# Altium PCB COEXPIX PCB.PcbDoc (part 2 of 2)
Units mm, origin at the board's own origin, x right, y up, seen from the top; angles counter-clockwise.
Board outline 35 x 35 mm, 4 copper layers (Top Layer, Signal Layer 1, Inner Layer 2, Bottom Layer), stack 0.778 mm thick; 127 components, 70 nets, 493 pads, 282 vias.
Unrouted connection lines stored in the file: 27.
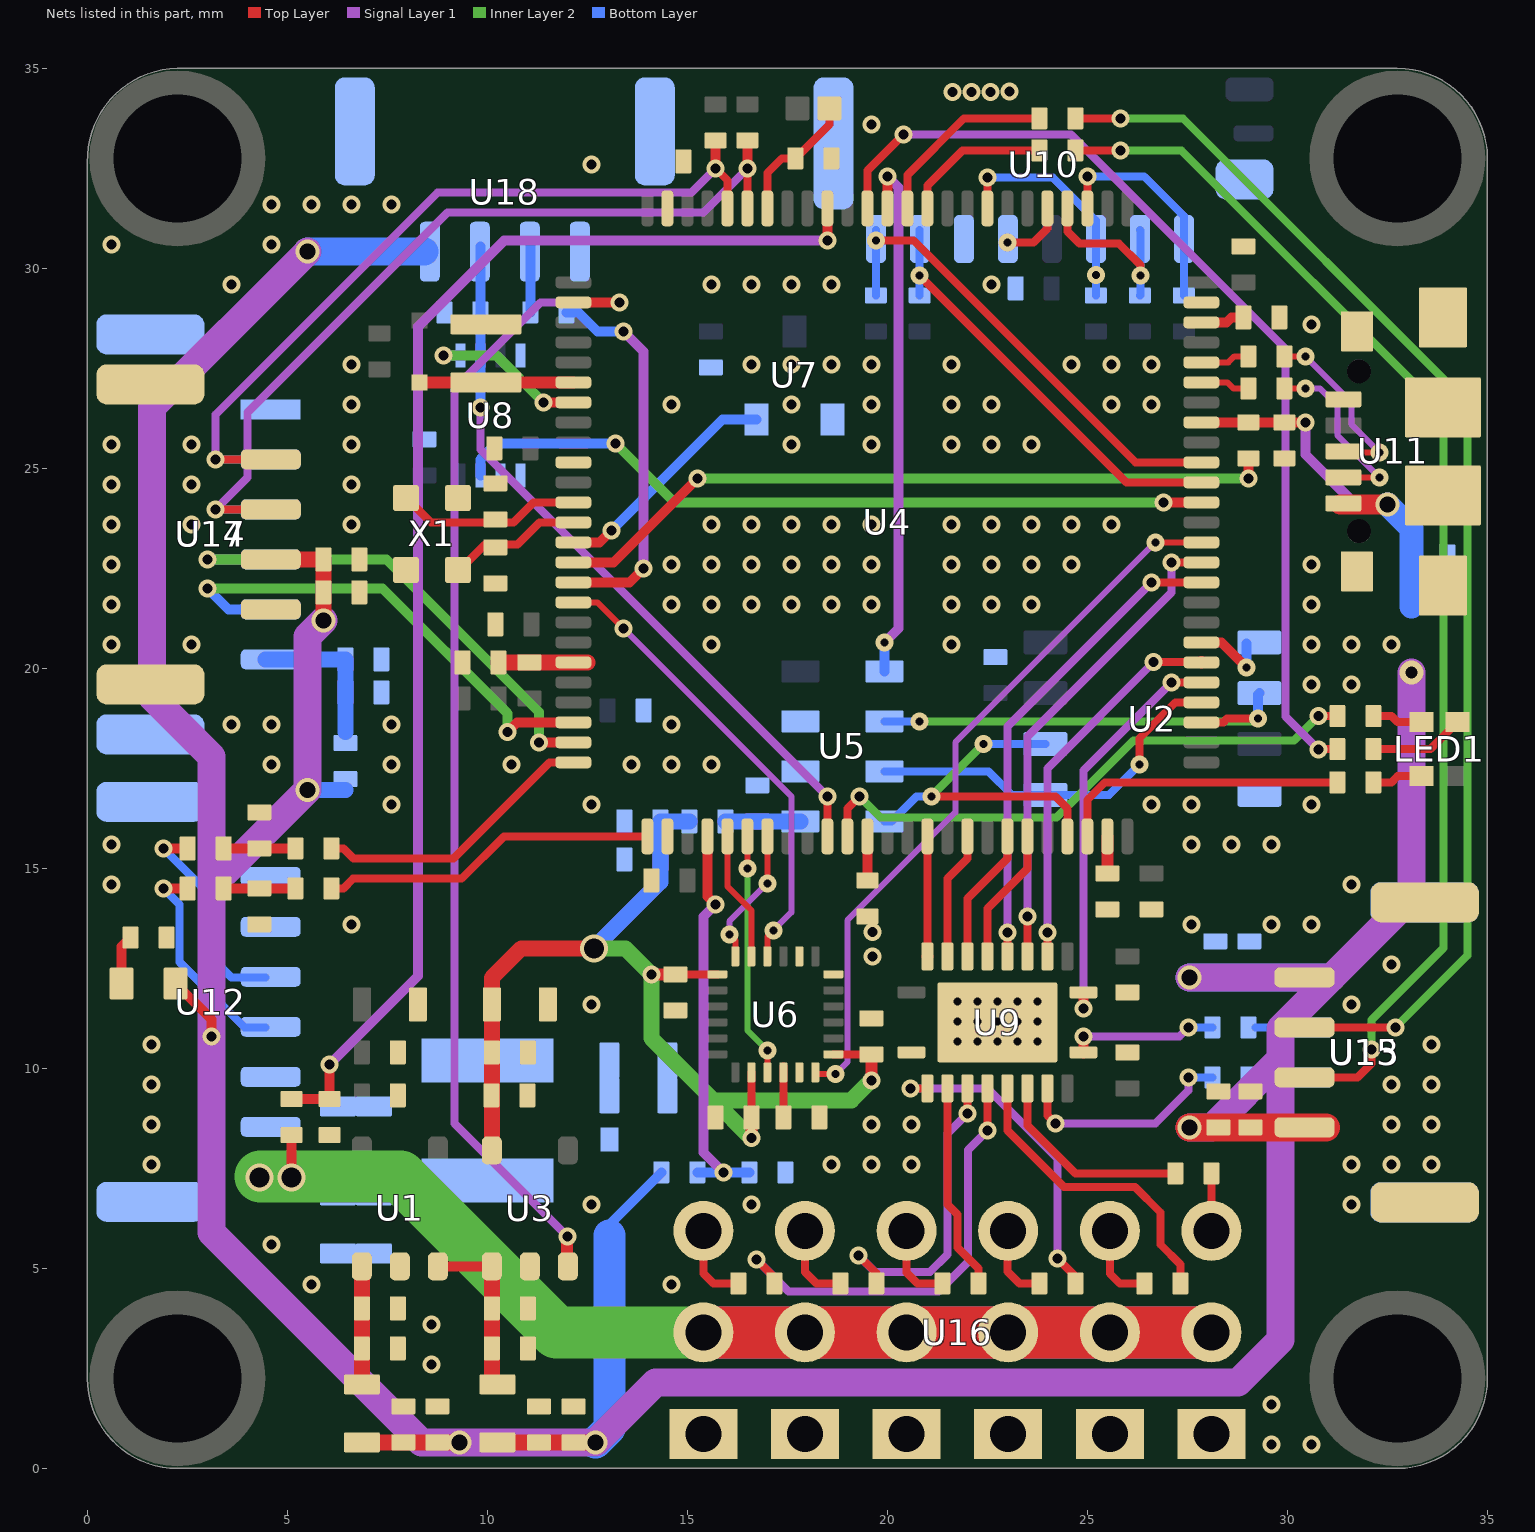
[diagram p4: the nets of this part, all layers, seen from the top]

## Via types
v1: diameter 0.45, hole 0.25, Top Layer to Bottom Layer, tented both sides, 228 vias
v2: diameter 0.45, hole 0.2, Top Layer to Bottom Layer, tented both sides, 38 vias
v3: diameter 0.6, hole 0.4, Top Layer to Bottom Layer, tented both sides, 8 vias
v4: diameter 0.7, hole 0.5, Top Layer to Bottom Layer, tented both sides, 4 vias
v5: diameter 0.45, hole 0.3, Top Layer to Bottom Layer, tented both sides, 2 vias
v6: diameter 0.5, hole 0.3, Top Layer to Bottom Layer, tented both sides, 1 vias
v7: diameter 0.6, hole 0.3, Top Layer to Bottom Layer, tented both sides, 1 vias

## Nets (pads, with @x,y where several pads share a name; then routed paths per layer and width w, separated by ;. In a path a pad name is that pad's centre, name@x,y a point inside that pad or via, vN(x,y) a via of type N, cw(c..) or ccw(c..) an arc to the next point about the centre after c; other vN are vias at no path point) (continued)
"3.3v sens.": C16.1 C17.1 C22.2 C23.2 C24.2 C27.2 C28.2 C29.2 L4.1 L4.2 R5.1 U3.5 U5.1 U6.1 U6.8 U6.13 | length 29.4
  Top Layer w0.2: C27.2@14.7,12.35 U6.1@15.75,12.35 ; C28.2@16.6,8.777 U6.8@16.6,9.9 ; U6.13@18.65,10.35 C29.2@19.6,10.35
  Top Layer w0.3: v1(14.1,12.35) C27.2@14.7,12.35 ; v1(16.6,8.253) C28.2@16.6,8.777 ; v1(19.6,9.7) C29.2@19.6,10.35
  Top Layer w0.4: U3.5@10.112,8.05 10.112,11.2 10.112,12.262 10.85,13 v4(12.662,13)
  Inner Layer 2 w0.4: v4(12.662,13) 13.45,13 v1(14.1,12.35) 14.1,10.753 15.653,9.2 ; v1(16.6,8.253) 15.653,9.2 ; v1(19.6,9.7) 19.1,9.2 15.653,9.2
  Bottom Layer w0.4: v4(12.662,13) 14.325,14.663 C22.2@14.325,15.225 C23.2@14.325,16.175 L4.2@15.05,16.175 ; L4.1@15.95,16.175 C24.2@16.75,16.175 U5.1@17.825,16.175
"5v input": C40.2 C41.2 C42.2 C43.2 C44.2 C45.2 D3.2 L6.1 L6.2 R4.1 U12.1 U12.2 U16.7 U16.8 U16.9 U16.10 U16.11 U16.12 | length 51.9
  Top Layer w0.25: v4(5.1,7.275) R4.1@5.1,8.335
  Top Layer w1.3: U16.7@15.4,3.4 U16.8@17.94,3.4 U16.9@20.48,3.4 U16.10@23.02,3.4 U16.11@25.56,3.4 U16.12@28.1,3.4
  Signal Layer 1 w1.3: U16.7@15.4,3.4 U16.8@17.94,3.4 U16.9@20.48,3.4 U16.10@23.02,3.4 U16.11@25.56,3.4 U16.12@28.1,3.4
  Inner Layer 2 w1.3: v4@4.325,7.3 7.825,7.3 11.725,3.4 U16.7@15.4,3.4 U16.8@17.94,3.4 U16.9@20.48,3.4 U16.10@23.02,3.4 U16.11@25.56,3.4 U16.12@28.1,3.4
  other v4: 4.3,7.275
"5v input_USB": C39.1 D2.2 R21.1 R22.2 U4.68 U11.1 | length 10
  Top Layer w0.25: U4.68@27.85,26.15 R22.2@29.025,26.15 R21.1@29.925,26.15 v1(30.45,26.15)
  Top Layer w0.5: U11.1@31.312,24.101 v3(32.5,24.101)
  Signal Layer 1 w0.25: v1(30.45,26.15) 30.45,25.35 31.699,24.101 v3(32.5,24.101)
  Bottom Layer w0.6: v3(32.5,24.101) 33.1,23.501 C39.1@33.1,22.8 D2.2@33.1,21.675 D2.2@33.1,21.55
"5v input_USB_valid": R22.1 U4.15 | length 18.2
  Top Layer w0.25: U4.15@12.15,22.65 13.15,22.65 v1(15.25,24.75) ; v1(29.025,24.75) R22.1@29.025,25.25
  Inner Layer 2 w0.25: v1(15.25,24.75) v1(29.025,24.75)
"5v input_valid": R4.2 R6.1 U4.91 | length 33.1
  Top Layer w0.25: R4.2@5.1,9.235 R6.1@6.05,9.235 v1(6.05,10.1) ; v1(18.5,30.7) U4.91@18.5,31.5
  Signal Layer 1 w0.25: v1(6.05,10.1) 8.263,12.313 8.263,28.541 10.422,30.7 v1(18.5,30.7)
"5v main": C4.1 C5.1 C6.1 C7.1 C18.1 C19.1 C20.1 C21.1 C48.2 C49.2 C50.2 C51.2 C52.2 C53.2 C54.1 C55.1 D2.1 D3.1 L1.1 L1.2 L3.1 L3.2 L9.1 L9.2 LED2.1 LED2.2 R8.1 R38.2 U1.1 U1.3 U3.1 U13.1 U14.1 U15.1 U17.3 U18.1 | length 130
  Top Layer w0.25: LED2.1@0.853,12.123 0.853,13.05 R38.2@1.078,13.275 ; LED2.2@2.203,12.123 3.1,11.226 v1(3.1,10.8) ; U1.3@8.742,5.05 U3.1@10.112,5.05
  Top Layer w0.3: C5.1@6.86,3 C5.1@6.862,2.998 ; C4.1@6.86,3.898 C4.1@6.862,3.9
  Top Layer w0.4: U17.3@4.458,22.725 U17.3@4.586,22.725 C55.1@5.9,22.725 C54.1@5.9,21.9 v3(5.9,21.2) ; C5.1@6.86,3 C4.1@6.86,3.898 ; L1.2@6.862,0.65 C6.1@7.9,0.65 C7.1@8.75,0.65 v3(9.3,0.65) ; L1.1@6.862,2.1 C5.1@6.862,2.998 ; C4.1@6.862,3.9 U1.1@6.862,5.05 ; U3.1@10.112,5.05 10.112,3.9 C19.1@10.112,3 10.112,2.238 L3.2@10.25,2.1 ; L3.1@10.25,0.65 C20.1@11.29,0.65 C21.1@12.153,0.65 v3(12.7,0.65)
  Top Layer w0.7: v3(27.55,8.526) C49.2@29.075,8.526 U13.1@30.964,8.526
  Signal Layer 1 w0.7: v3(5.5,30.416) 1.615,26.531 1.615,19.285 3.1,17.8 3.1,14.558 ; v3(5.9,21.2) 5.5,20.8 v3(5.5,16.958) 3.1,14.558 ; v3(27.55,8.526) 28.11,8.526 29.825,10.24 ; v3(27.55,12.274) 31.099,12.274 ; v7(33.1,19.9) 33.1,14.275 31.099,12.274 ; 3.1,14.558 v1(3.1,10.8) 3.1,5.9 8.35,0.65 v3(9.3,0.65) v3(12.7,0.65) 14.2,2.15 28.764,2.15 29.825,3.211 29.825,10.24 ; 29.825,10.24 29.825,10.999 31.1,12.274
  Bottom Layer w0.25: D3.1@13.05,5.825 13.05,6.1 R8.1@14.35,7.4
  Bottom Layer w0.4: U14.1@4.458,20.225 U14.1@4.584,20.225 C51.2@6.45,20.225 C50.2@6.45,19.4 6.45,18.408 ; v3(5.5,16.958) 6.45,16.958
  Bottom Layer w0.6: D2.1@33.1,19.175 D2.1@33.1,19.275 v7(33.1,19.9)
  Bottom Layer w0.7: v3(5.5,30.416) U18.1@8.425,30.416 ; v3(27.55,12.274) U15.1@31.1,12.274
  Bottom Layer w0.8: v3(12.7,0.65) 13.05,1 D3.1@13.05,5.825
"5v main_sens.": R8.2 R9.1 U4.29 | length 10.1
  Top Layer w0.25: U4.29@15.5,15.8 15.5,14.3 v1(15.7,14.1)
  Signal Layer 1 w0.25: v1(15.7,14.1) 15.4,13.8 15.4,7.9 v1(15.9,7.4)
  Bottom Layer w0.25: R8.2@15.25,7.4 v1(15.9,7.4) R9.1@16.55,7.4
AGND: C14.2 L5.1 U4.20 | length 2.2
  Top Layer w0.4: L5.1@10.275,20.15 C14.2@11.05,20.15 U4.20@12.15,20.15 U4.20@12.5,20.15
AUX1: R31.1 R31.2 U9.15 U16.1 | length 13.3
  Top Layer w0.2: U16.1@15.4,5.94 15.4,4.875 15.65,4.625 R31.2@16.275,4.625 ; v1(16.725,5.225) 17.175,4.775 R31.1@17.175,4.625 ; v1(22.5,8.45) U9.15@22.5,9.5
  Signal Layer 1 w0.2: v1(16.725,5.225) 17.525,4.425 21.275,4.425 22.012,5.162 22.012,7.962 v1(22.5,8.45)
AUX2: R32.1 R32.2 U9.14 U16.2 | length 9.9
  Top Layer w0.2: U16.2@17.94,5.94 17.94,4.91 18.225,4.625 R32.2@18.825,4.625 ; v1(19.279,5.325) 19.725,4.879 R32.1@19.725,4.625 ; v1(22,8.875) U9.14@22,9.5
  Signal Layer 1 w0.2: v1(19.279,5.325) 19.694,4.91 21.06,4.91 21.5,5.35 21.5,8.375 v1(22,8.875)
AUX3: R33.1 R33.2 U9.13 U16.3 | length 7.2
  Top Layer w0.2: U16.3@20.48,5.94 20.48,4.9 20.755,4.625 R33.2@21.375,4.625 ; U9.13@21.5,9.5 21.5,6.6 21.75,6.35 21.75,5.525 22.275,5 R33.1@22.275,4.625
AUX4: R34.1 R34.2 U9.12 U16.4 | length 10.2
  Top Layer w0.2: v1(20.575,9.5) U9.12@21,9.5 ; U16.4@23.02,5.94 23,5.92 23,4.925 23.3,4.625 R34.2@23.8,4.625 ; v1(24.25,5.25) 24.7,4.8 R34.1@24.7,4.625
  Signal Layer 1 w0.2: v1(20.575,9.5) 22.5,9.5 24.25,7.75 v1(24.25,5.25) v1@24.25,5.175
AUX5: R35.1 R35.2 U9.16 U16.5 | length 9.7
  Top Layer w0.2: U9.16@23,9.5 23,8.45 24.415,7.035 26.19,7.035 26.822,6.403 26.822,5.603 27.325,5.1 R35.1@27.325,4.625 ; U16.5@25.56,5.94 25.56,4.875 25.81,4.625 R35.2@26.425,4.625
AUX6: R36.1 R36.2 U9.17 U16.6 | length 6.6
  Top Layer w0.2: U9.17@23.5,9.5 23.5,8.575 24.7,7.375 R36.1@27.2,7.375 ; U16.6@28.1,5.94 R36.2@28.1,7.375
BOOT0: pad.2@18.55,34 R10.1 U4.94 | length 3
  Top Layer w0.2: U4.94@17,31.5 17,32.389 17.361,32.75 R10.1@17.7,32.75 18.55,33.6 pad.2@18.55,33.709
BOOT1: R7.2 U4.37 | length 1.1
  Top Layer w0.25: R7.2@19.5,14.7 U4.37@19.5,15.8
"Current sens.": C46.1 L7.1 L7.2 R25.1 R25.2 U4.26 U12.3 | length 15.7
  Top Layer w0.2: R25.1@6.1,14.5 6.4,14.5 6.646,14.746 9.359,14.746 10.412,15.8 U4.26@14,15.8
  Top Layer w0.25: v1(1.9,14.5) L7.2@2.508,14.5 ; L7.1@3.408,14.5 C46.1@4.3,14.5 R25.2@5.2,14.5
  Bottom Layer w0.2: v1(1.9,14.5) 2.3,14.1 2.3,12.658 3.934,11.025 U12.3@4.458,11.025
FMU_AUX1: U4.45 U9.6 | length 3.4
  Top Layer w0.2: U9.6@22.5,12.8 22.5,14 23.5,15 U4.45@23.5,15.8
FMU_AUX2: U4.44 U9.7 | length 3.4
  Top Layer w0.2: U9.7@22,12.8 22,14.25 23,15.25 U4.44@23,15.8
FMU_AUX3: U4.42 U9.8 | length 3.2
  Top Layer w0.2: U9.8@21.5,12.8 21.5,14.746 22,15.246 U4.42@22,15.8
FMU_AUX4: U4.40 U9.9 | length 3
  Top Layer w0.2: U9.9@21,12.8 U4.40@21,15.8
FMU_AUX5: U4.60 U9.5 | length 12.1
  Top Layer w0.2: U9.5@23,12.8 v1(23,13.4) ; v1(26.6,22.15) U4.60@27.85,22.15
  Signal Layer 1 w0.2: v1(23,13.4) 23,18.55 v1(26.6,22.15)
FMU_AUX6: U4.61 U9.4 | length 12.1
  Top Layer w0.2: U9.4@23.5,12.8 v1(23.5,13.8) ; v1(27.1,22.65) U4.61@27.85,22.65
  Signal Layer 1 w0.2: v1(23.5,13.8) 23.5,18.3 27.1,21.9 v1(27.1,22.65)
"FMU_RC input": U4.64 U8.7 | length 19.2
  Top Layer w0.25: v1(26.9,24.15) U4.64@27.85,24.15
  Inner Layer 2 w0.25: v1(13.2,25.625) 14.675,24.15 v1(26.9,24.15)
  Bottom Layer w0.25: U8.7@9.825,24.825 9.825,25.227 10.224,25.625 v1(13.2,25.625)
FRAM_SPI_CS: U2.1 U4.57 | length 2
  Top Layer w0.25: U4.57@27.85,20.65 28.35,20.65 v2(28.975,20.025)
  Bottom Layer w0.25: v2(28.975,20.025) U2.1@28.975,20.625
FRAM_SPI_MISO: U2.2 U4.53 U5.6 | length 11.5
  Top Layer w0.2: U4.53@27.85,18.65 28.4,18.65 28.494,18.744 v2(29.266,18.744)
  Inner Layer 2 w0.2: v2(20.8,18.675) 29.197,18.675 v2(29.266,18.744)
  Bottom Layer w0.2: U5.6@19.925,18.675 v2(20.8,18.675)
  Bottom Layer w0.25: v2(29.266,18.744) 29.266,19.346 U2.2@29.3,19.38
FRAM_SPI_MOSI: U2.5 U4.54 U5.7 | length 9.5
  Top Layer w0.2: v2(26.3,17.6) 26.3,18.251 27.199,19.15 U4.54@27.85,19.15
  Bottom Layer w0.2: U5.7@19.925,17.425 22.525,17.425 23.11,16.84 U2.5@23.95,16.84 25.54,16.84 v2(26.3,17.6)
FRAM_SPI_SCK: U2.6 U4.47 U5.8 | length 9.1
  Top Layer w0.2: v2(21.1,16.8) 24.2,16.8 24.5,16.5 U4.47@24.5,15.8
  Inner Layer 2 w0.2: v2(21.1,16.8) 21.09,16.8 v2(22.4,18.11)
  Bottom Layer w0.2: U5.8@19.925,16.175 20.1,16.175 20.725,16.8 v2(21.1,16.8) ; v2(22.4,18.11) U2.6@23.95,18.11
GND: C1.1 C2.2 C3.2 C4.2 C5.2 C6.2 C7.2 C8.1 C9.1 C10.1 C11.1 C12.1 C13.1 C15.1 C16.2 C17.2 C18.2 C19.2 C20.2 C21.2 C22.1 C23.1 C24.1 C25.2 C26.1 C27.1 C28.1 C29.1 C30.1 C31.2 C32.2 C33.2 C34.2 C35.1 C36.1 C37.2 C38.2 C39.2 C40.1 C41.1 C42.1 C43.1 C44.1 C45.1 C46.2 C47.2 C48.1 C49.1 C50.1 C51.1 C52.1 C53.1 C54.2 C55.2 C56.1 L5.2 R1.2 R5.2 R6.2 R7.1 R9.2 R10.2 R14.1 R21.2 R38.1 U1.2 U2.4 U3.2 U4.10 U4.27 U4.74 U4.99 U5.2 U5.3 U6.11 U6.18 U6.20 U7.1 U8.4 U8.5 U8.6 U9.11 U9.21 U10.6 U10.9 U10.10 U11.5 U12.5 U12.6 U12.7 U13.4 U13.5 U14.6 U14.7 U15.4 U15.5 U16.13 U16.14 U16.15 U16.16 U16.17 U16.18 U17.4 U17.5 U18.4 U18.5 X1.2 X1.4
  other v1: 29.6,0.6 30.6,0.6 29.6,1.6 8.6,2.6 8.6,3.6 5.6,4.6 14.6,4.6 4.6,5.6 12.6,6.6 16.6,6.6 31.6,6.6 1.6,7.6 18.6,7.6 19.6,7.6 20.6,7.6 31.6,7.6 32.6,7.6 33.6,7.6 1.6,8.6 19.6,8.6 20.6,8.6 32.6,8.6 33.6,8.6 1.6,9.6 32.6,9.6 33.6,9.6 1.6,10.6 33.6,10.6 12.6,11.6 31.6,11.6 32.6,12.6 19.625,12.797 19.625,13.406 6.6,13.6 27.6,13.6 29.6,13.6 30.6,13.6 0.6,14.6 31.6,14.6 0.6,15.6 27.6,15.6 28.6,15.6 29.6,15.6 7.6,16.6 12.6,16.6 26.6,16.6 27.6,16.6 30.6,16.6 4.6,17.6 7.6,17.6 10.6,17.6 13.6,17.6 14.6,17.6 15.6,17.6 3.6,18.6 4.6,18.6 7.6,18.6 14.6,18.6 30.6,19.6 31.6,19.6 0.6,20.6 2.6,20.6 15.6,20.6 21.6,20.6 30.6,20.6 31.6,20.6 32.6,20.6 0.6,21.6 14.6,21.6 15.6,21.6 16.6,21.6 17.6,21.6 18.6,21.6 19.6,21.6 21.6,21.6 22.6,21.6 23.6,21.6 30.6,21.6 0.6,22.6 14.6,22.6 15.6,22.6 16.6,22.6 17.6,22.6 18.6,22.6 19.6,22.6 21.6,22.6 22.6,22.6 23.6,22.6 24.6,22.6 30.6,22.6 0.6,23.6 2.6,23.6 6.6,23.6 15.6,23.6 16.6,23.6 17.6,23.6 18.6,23.6 19.6,23.6 21.6,23.6 22.6,23.6 23.6,23.6 24.6,23.6 25.6,23.6 0.6,24.6 2.6,24.6 6.6,24.6 0.6,25.6 2.6,25.6 6.6,25.6 17.6,25.6 19.6,25.6 21.6,25.6 22.6,25.6 23.6,25.6 6.6,26.6 14.6,26.6 17.6,26.6 19.6,26.6 21.6,26.6 22.6,26.6 25.6,26.6 26.6,26.6 6.6,27.6 16.6,27.6 17.6,27.6 18.6,27.6 19.6,27.6 21.6,27.6 24.6,27.6 25.6,27.6 26.6,27.6 30.6,28.6 3.6,29.6 15.6,29.6 16.6,29.6 17.6,29.6 18.6,29.6 22.6,29.6 0.6,30.6 4.6,30.6 4.6,31.6 5.6,31.6 6.6,31.6 7.6,31.6 12.6,32.6 19.6,33.6 21.628,34.414 22.104,34.413 22.579,34.413 23.048,34.417
  other v2: 21.75,10.675 22.25,10.675 22.75,10.675 23.25,10.675 23.75,10.675 21.75,11.175 22.25,11.175 22.75,11.175 23.25,11.175 23.75,11.175 21.75,11.675 22.25,11.675 22.75,11.675 23.25,11.675 23.75,11.675
GPS_UART_RX: U4.24 U14.3 | length 12.7
  Top Layer w0.25: v1(11.29,18.15) U4.24@12.15,18.15
  Inner Layer 2 w0.25: v1(3,22.725) 7.475,22.725 11.29,18.91 v1(11.29,18.15)
  Bottom Layer w0.25: v1@3.2,22.725 U14.3@4.458,22.725
GPS_UART_TX: U4.23 U14.2 | length 12.7
  Top Layer w0.25: v1(10.5,18.408) 10.742,18.65 U4.23@12.15,18.65
  Inner Layer 2 w0.25: v1(3,22) 7.375,22 10.5,18.875 v1(10.5,18.408)
  Bottom Layer w0.25: v1(3,22) 3.525,21.475 U14.2@4.458,21.475
I2C_SCL: R3.1 U4.95 U14.4 U17.2 | length 22
  Top Layer w0.2: v1(3.2,23.975) U17.2@4.458,23.975 ; U4.95@16.5,31.5 v1(16.5,32.5)
  Top Layer w0.25: v1(16.5,32.5) R3.1@16.5,33.2
  Signal Layer 1 w0.2: v1(3.2,23.975) 4,24.775 4,26.4 9,31.4 15.4,31.4 v1(16.5,32.5)
  Bottom Layer w0.2: v1(3.2,23.975) U14.4@4.458,23.975
I2C_SDA: R2.1 U4.96 U14.5 U17.1 | length 20.5
  Top Layer w0.2: v1(3.2,25.225) U17.1@4.458,25.224 ; v1(15.702,32.5) 16,32.202 U4.96@16,31.5
  Top Layer w0.25: v1(15.702,32.5) R2.1@15.702,33.2
  Signal Layer 1 w0.2: v1(3.2,25.225) 3.2,26.342 8.758,31.9 15.102,31.9 v1(15.702,32.5)
  Bottom Layer w0.2: v1(3.2,25.225) U14.5@4.458,25.225
LED_BLUE: LED1.4 R12.1 R12.2 U4.89 | length 27.2
  Top Layer w0.2: U4.89@19.5,31.5 19.5,32.45 v1(20.4,33.35) ; v1(30.775,17.975) 30.783,17.983 R12.2@31.25,17.983 ; R12.1@32.15,17.983 33.575,17.983 LED1.4@34.25,18.658
  Signal Layer 1 w0.2: v1(20.4,33.35) 24.58,33.35 24.587,33.343 24.593,33.35 29.955,27.988 29.955,18.795 v1(30.775,17.975)
LED_GREEN: LED1.2 R13.1 R13.2 U4.36 | length 15.6
  Top Layer w0.2: U4.36@19,15.8 19,16.5 v1(19.3,16.8) ; v1(30.775,18.808) R13.2@31.25,18.808 ; R13.1@32.15,18.808 32.6,18.808 32.75,18.658 LED1.2@33.35,18.658
  Inner Layer 2 w0.2: v1(19.3,16.8) 19.825,16.275 24.225,16.275 26.15,18.2 30.167,18.2 v1(30.775,18.808)
LED_RED: LED1.1 R15.1 R15.2 U4.48 | length 8.6
  Top Layer w0.2: U4.48@25,15.8 25,16.715 25.435,17.15 26.107,17.15 26.112,17.145 31.245,17.145 R15.2@31.25,17.15 ; R15.1@32.15,17.15 32.6,17.15 32.758,17.308 LED1.1@33.35,17.308
MicroSD_CLK: U4.80 U10.5 | length 1.6
  Top Layer w0.2: v2(23.009,30.65) 23.65,30.65 24,31 U4.80@24,31.5
MicroSD_CMD: R20.2 U4.83 U10.3 | length 5.8
  Top Layer w0.2: U4.83@22.5,31.5 v1(22.5,32.275)
  Bottom Layer w0.2: v1(22.5,32.275) 24.135,32.275 25.21,31.2 v2(25.21,29.84) R20.2@25.21,29.325
MicroSD_DAT0: R16.2 U4.65 U10.7 | length 10.9
  Top Layer w0.2: v2(20.8,29.825) 25.975,24.65 U4.65@27.85,24.65
  Bottom Layer w0.2: v2(20.8,29.825) v2@20.8,29.87 ; R16.2@20.809,29.325 20.809,29.878 v2@20.8,29.87 ; U10.7@20.809,30.957 20.8,30.948 v2@20.8,29.87
MicroSD_DAT1: R17.2 U4.66 U10.8 | length 12.1
  Top Layer w0.2: v2(19.71,30.7) 20.659,30.7 26.209,25.15 U4.66@27.85,25.15
  Bottom Layer w0.2: R17.2@19.71,29.325 v2(19.71,30.7) U10.8@19.71,30.958
MicroSD_DAT2: R18.2 U4.78 U10.1 | length 5.6
  Top Layer w0.2: U4.78@25,31.5 v1(25,32.3)
  Bottom Layer w0.2: v1(25,32.3) 26.422,32.3 27.41,31.312 27.41,30.958 R18.2@27.41,29.325
MicroSD_DAT3: R19.2 U4.79 U10.2 | length 4.7
  Top Layer w0.2: U4.79@24.5,31.5 24.5,30.925 24.8,30.625 25.785,30.625 26.325,30.085 v2(26.325,29.825)
  Bottom Layer w0.2: R19.2@26.31,29.325 26.325,29.34 v2(26.325,29.825) 26.325,30.944 U10.2@26.31,30.958
MPU9250_SPI_CS: U4.17 U6.22 | length 11.7
  Top Layer w0.15: U4.17@12.15,21.65 12.751,21.65 v1(13.4,21.001) ; U6.22@17,12.8 17,13.3 v2(17.15,13.45)
  Signal Layer 1 w0.15: v1(13.4,21.001) 17.6,16.801 17.6,13.9 v2(17.15,13.45)
MPU9250_SPI_INT: U4.62 U6.12 | length 18.4
  Top Layer w0.15: U6.12@18.2,9.9 18.246,9.854 v2(18.7,9.854) ; v2(26.7,23.15) U4.62@27.85,23.15
  Signal Layer 1 w0.15: v2(18.7,9.854) 19,10.154 19,13.7 21.7,16.4 21.7,18.15 v2(26.7,23.15) v2@26.7,23
MPU9250_SPI_SCLK: U4.30 U6.23 | length 3.2
  Top Layer w0.15: U4.30@16,15.8 16,14.55 16.6,13.95 U6.23@16.6,12.8
MPU9250_SPI_SDI: U4.32 U6.24 | length 3.5
  Top Layer w0.15: v2(16.05,13.35) 16.2,13.2 U6.24@16.2,12.8 ; v2(17,14.625) U4.32@17,15.8
  Signal Layer 1 w0.15: v2(16.05,13.35) 16.05,13.675 v2(17,14.625)
MPU9250_SPI_SDO: U4.31 U6.9 | length 6.1
  Top Layer w0.15: v2(16.5,15) U4.31@16.5,15.8 ; U6.9@17,9.9 17,10.448 v2(17,10.45) 17.002,10.448 v2@17.001,10.447
  Inner Layer 2 w0.15: v2(16.5,15) 16.5,10.95 v2(17,10.45)
"MS5607_SPI_ CS": U4.88 U5.5 | length 13.4
  Top Layer w0.25: U4.88@20,31.5 v1(20,32.295)
  Signal Layer 1 w0.25: v2(19.925,20.65) 20.275,21 20.275,32.02 v1(20,32.295)
  Bottom Layer w0.25: U5.5@19.925,19.925 v2(19.925,20.65)
NRST: U4.14 U7.2 | length 5.8
  Top Layer w0.25: U4.14@12.15,23.15 12.8,23.15 v1(13.1,23.45)
  Bottom Layer w0.25: v1(13.1,23.45) 15.875,26.225 U7.2@16.725,26.225
OSC_IN: C15.2 U4.12 X1.3 | length 4.6
  Top Layer w0.2: X1.3@7.988,24.25 8.588,23.65 10.65,23.65 11.15,24.15 U4.12@12.15,24.15
OSC_OUT: C25.1 U4.13 X1.1 | length 3.4
  Top Layer w0.2: X1.1@9.288,22.45 9.938,23.1 10.75,23.1 11.3,23.65 U4.13@12.15,23.65
"RC input": R14.2 U4.35 U8.2 U18.2 | length 18.4
  Top Layer w0.2: U4.35@18.5,15.8 v1(18.5,16.8)
  Signal Layer 1 w0.2: v1(9.825,26.526) 9.825,25.475 v1(18.5,16.8)
  Bottom Layer w0.25: v1@9.825,26.475 U8.2@9.825,27.825 9.825,29.125 U18.2@9.825,30.541 ; v1@9.825,26.475 v1(9.825,26.526)
REGOUT: C26.2 U6.10 | length 1.3
  Top Layer w0.2: C26.2@17.4,8.775 U6.10@17.4,9.9 U6.10@17.4,10.05
RSSI_IN: R37.1 R37.2 U4.16 U18.3 | length 11.3
  Top Layer w0.25: U4.16@12.15,22.15 13.55,22.15 v1(13.9,22.5)
  Signal Layer 1 w0.25: v1(13.4,28.425) 13.9,27.925 v1(13.9,22.5)
  Bottom Layer w0.25: R37.2@11.075,28.9 U18.3@11.075,30.541 ; R37.1@11.975,28.9 12.275,28.9 12.75,28.425 v1(13.4,28.425)
SBUS_INV: U4.7 U8.1 | length 4.2
  Top Layer w0.25: v1(11.4,26.65) U4.7@12.15,26.65
  Inner Layer 2 w0.25: v1(8.9,27.825) 10.225,27.825 v1(11.4,26.65)
  Bottom Layer w0.25: v1(8.9,27.825) U8.1@9.325,27.825
"Sens. enable": U3.3 U4.2 | length 29.3
  Top Layer w0.25: U4.2@12.15,29.15 v1(13.3,29.15)
  Top Layer w0.3: U3.3@11.992,5.05 11.992,5.792 v1(12,5.8)
  Signal Layer 1 w0.2: v1(12,5.8) 9.175,8.625 9.175,27 11.325,29.15 v1(13.3,29.15)
Telem1_UART_RX: R28.1 R28.2 U4.87 U13.3 | length 35.9
  Top Layer w0.2: U4.87@20.5,31.5 20.5,32.337 21.913,33.751 R28.1@23.8,33.751 ; R28.2@24.7,33.751 v1(25.825,33.751) ; U13.3@30.591,11.025 v1(32.7,11.026)
  Inner Layer 2 w0.2: v1(25.825,33.751) 27.385,33.751 34.5,26.636 34.5,12.826 v1(32.7,11.026)
Telem1_UART_TX: R27.1 R27.2 U4.86 U13.2 | length 34.3
  Top Layer w0.2: U4.86@21,31.5 21,32.075 21.875,32.95 R27.1@23.8,32.95 ; R27.2@24.7,32.95 v1(25.825,32.95) ; U13.2@30.591,9.775 31.75,9.775 32.1,10.125 v1(32.1,10.475)
  Inner Layer 2 w0.2: v1(25.825,32.95) 27.349,32.95 33.9,26.399 33.9,13.013 32.1,11.213 v1(32.1,10.475)
Telem2_UART_FMU_RX: U4.56 U9.3 | length 9.6
  Top Layer w0.2: U9.3@24,12.8 v1(24,13.4) ; v1@26.805,20.155 U4.56@27.85,20.155
  Top Layer w0.3: v1(26.655,20.155) v1@26.745,20.155 ; U4.56@27.85,20.15 U4.56@27.85,20.155
  Signal Layer 1 w0.2: v1(24,13.4) 24,17.5 v1(26.655,20.155)
Telem2_UART_FMU_TX: U4.55 U9.1 | length 10.2
  Top Layer w0.2: v1(27.1,19.65) U4.55@27.85,19.65
  Top Layer w0.25: v1(24.9,11.5) U9.1@24.9,11.9
  Signal Layer 1 w0.2: v1(24.9,11.5) 24.9,17.45 v1(27.1,19.65)
Telem2_UART_RX: R30.1 R30.2 U9.18 U15.3 | length 6.9
  Top Layer w0.2: U9.18@24,9.5 24,8.825 v1(24.2,8.625)
  Signal Layer 1 w0.2: v1(24.2,8.625) 26.699,8.625 27.525,9.451 v1(27.525,9.775)
  Bottom Layer w0.2: v1(27.525,9.775) R30.2@28.125,9.775 ; R30.1@29.2,9.775 U15.3@30.591,9.775
Telem2_UART_TX: R29.1 R29.2 U9.20 U15.2 | length 5.1
  Top Layer w0.25: U9.20@24.9,10.4 v1(24.9,10.8)
  Signal Layer 1 w0.2: v1(24.9,10.8) 27.3,10.8 v1(27.525,11.025)
  Bottom Layer w0.2: v1@27.525,11.025 R29.2@28.125,11.025 ; R29.1@29.2,11.025 U15.2@30.591,11.025
USB_D_N: R23.1 R23.2 U4.70 U11.2 | length 5.8
  Top Layer w0.15: U4.70@27.85,27.15 28.5,27.15 28.65,27 R23.2@29.025,27 ; R23.1@29.925,27 v2(30.45,27) ; U11.2@31.511,24.751 31.512,24.75 31.537,24.775 v2(32.3,24.775)
  Signal Layer 1 w0.15: v2(30.45,27) 30.811,27 31.25,26.561 31.25,25.825 v2(32.3,24.775)
USB_D_P: R24.1 R24.2 U4.71 U11.3 | length 5.7
  Top Layer w0.15: U4.71@27.85,27.65 28.525,27.65 28.675,27.8 R24.2@29.025,27.8 ; R24.1@29.925,27.8 v2@30.4,27.8 ; U11.3@31.511,25.401 v2(32.3,25.401)
  Signal Layer 1 w0.15: v2(30.45,27.8) 31.6,26.65 31.6,26.101 v2(32.3,25.401)
VBAT: C31.1 C32.1 D1.1 U4.6 | length 3.8
  Top Layer w0.3: D1.1@8.3,27.15 C31.1@9.525,27.15 C32.1@10.4,27.15 U4.6@12.15,27.15
VCAP_1: C33.1 U4.49 | length 0.9
  Top Layer w0.3: C33.1@25.5,14.875 U4.49@25.5,15.8
VCAP_2: C34.1 U4.73 | length 1.1
  Top Layer w0.25: U4.73@27.85,28.65 28.475,28.65 28.6,28.775 C34.1@28.9,28.775
"Voltage sens.": C47.1 L8.1 L8.2 R26.1 R26.2 U4.25 U12.4 | length 14.3
  Top Layer w0.2: R26.1@6.1,15.5 6.4,15.5 6.65,15.25 9.15,15.25 11.55,17.65 U4.25@12.15,17.65
  Top Layer w0.25: v1(1.9,15.5) L8.2@2.508,15.5 ; L8.1@3.408,15.5 C47.1@4.3,15.5 R26.2@5.2,15.5
  Bottom Layer w0.2: v1(1.9,15.5) 2.9,14.5 2.9,12.975 3.6,12.275 U12.4@4.458,12.275
pads on no net: U1.4 U3.4 U4.1 U4.3 U4.4 U4.5 U4.8 U4.9 U4.18 U4.33 U4.34 U4.38 U4.39 U4.41 U4.43 U4.46 U4.51 U4.52 U4.58 U4.59 U4.63 U4.67 U4.69 U4.72 U4.76 U4.77 U4.81 U4.82 U4.84 U4.85 U4.90 U4.92 U4.93 U4.97 U4.98 U5.4 U6.2 U6.3 U6.4 U6.5 U6.6 U6.7 U6.14 U6.15 U6.16 U6.17 U6.19 U6.21 U8.3 U10.11 U10.12 U11.4 U11.6

## Polygon pours and split planes (outlines as drawn)
GND on Bottom Layer "GND" (solid, remove dead copper, pour order 7): 0,2.25 0,32.65 cw(c2.3,32.7) 2.25,35 32.75,35 cw(c32.75,32.75) 35,32.75 35,2.25 cw(c32.75,2.25) 32.75,0 2.25,0 cw(c2.25,2.25)
"5v input" on Bottom Layer "Bottom Layer-5v input" (solid, pour order 2): 8.3,11.026 13.4,11.025 13.4,7.9 12.7,7.9 12.7,8.875 11.975,9.6 8.3,9.6
"5v input" on Bottom Layer "Bottom Layer-5v input 1" (solid, pour order 0): 3.5,10.2 3.5,6.85 4.05,6.3 11.7,6.3 11.7,8.1 6,8.1 5.4,8.7 5.4,10.2
no net on Top Layer "Top Layer-No Net" (solid, pour order 9): 17.23,11.4
GND on Top Layer "GND" (solid, remove dead copper, pour order 4): 0,2.25 0,32.65 cw(c2.3,32.7) 2.25,35 32.75,35 cw(c32.75,32.75) 35,32.75 35,2.25 cw(c32.75,2.25) 32.75,0 2.25,0 cw(c2.25,2.25)
GND on Signal Layer 1 "GND" (solid, remove dead copper, pour order 5): 0,2.25 0,32.65 cw(c2.3,32.7) 2.25,35 32.75,35 cw(c32.75,32.75) 35,32.75 35,2.25 cw(c32.75,2.25) 32.75,0 2.25,0 cw(c2.25,2.25)
GND on Inner Layer 2 "GND" (solid, remove dead copper, pour order 6): 0,2.25 0,32.65 cw(c2.3,32.7) 2.25,35 32.75,35 cw(c32.75,32.75) 35,32.75 35,2.25 cw(c32.75,2.25) 32.75,0 2.25,0 cw(c2.25,2.25)

## Keep-outs
Keep-Out Layer:
  the board outline again, w0.1

## Other copper
Top Layer:
  pour cut-out: 23.785,14.085 23.754,14.115 23.754,14.895 23.656,14.895 23.5,14.739 23.5,14.203
  pour cut-out: 14.936,5.136 14.936,4.204 15.048,4.204 15.16,4.296 15.16,5.023 15.125,5.058
  pour cut-out: 16.328,5.94 17.012,5.94 17.012,5.731 17.044,5.7 16.296,5.7
  pour cut-out: 18.404,6.744 20.016,6.744 19.925,6.653 19.925,6.5 18.596,6.5
  pour cut-out: 27.514,7.764 27.786,7.764 27.786,7.624 27.79,7.62 27.574,7.62
  pour cut-out: 17.403,14.625 17.56,14.468 17.56,13.504 17.35,13.504 17.158,13.696 17.158,14.425
  pour cut-out: 8.769,22.752 8.769,23.397 9.621,23.397 9.688,23.33 9.688,23.075
  pour cut-out: 31.42,19.257 31.98,19.257 31.98,16.77 32,16.75 31.951,16.701 31.42,16.701
  pour cut-out: 2.678,15.974 3.238,15.974 3.238,14.026 2.678,14.026
  pour cut-out: 5.37,15.949 5.93,15.949 5.93,14.051 5.37,14.051
  pour cut-out: 18.058,32.427 18.06,32.425 18.06,32.125 17.94,32.125 17.914,32.151 17.914,32.4
  pour cut-out: 23.97,34.2 24.53,34.2 24.53,33.912 24.518,33.9 24,33.9
  pour cut-out: 29.458,25.498 29.458,25.867 29.425,25.9 29.222,25.9 29.222,25.672 29.27,25.624
  pour cut-out: 29.755,28.249 29.739,28.233 29.273,28.233 29.273,28.015 29.258,28 29.654,28
  pour cut-out: 16.019,12.52 18.386,12.55 18.386,10.152 16.019,10.152
  pour cut-out: 17.476,12.575
  pour cut-out: 29.51,10.625 29.51,10.1 29.672,10.1 29.672,10.606 29.691,10.625
  pour cut-out: 15.254,33.728 15.253,33.727 15.253,33.37 15.369,33.37 15.496,33.497 15.496,33.936
Signal Layer 1:
  pour cut-out: 24,12.997 24.003,13 24.75,13 24.75,13.246 24.704,13.291 24.275,13.291
  pour cut-out: 27.55,12.805 25.055,12.805 25.05,12.8 25.075,12.775 25.075,12.35 27.474,12.35 27.55,12.274
  pour cut-out: 24.497,10.8 24.491,10.794 24.491,8.9 24.9,8.9 24.926,8.875 25.054,9.004 25.054,10.428
  pour cut-out: 19.703,16.8 20.697,16.8 20.703,16.794 20.703,16.425 19.725,16.425 19.675,16.475
  pour cut-out: 13.703,29.15 13.703,30.4 13.366,30.4 13.35,30.416 13.3,30.366 13.3,29.15
  pour cut-out: 6.05,9.697 7.743,9.697 8.921,8.52 9.025,8.624 9.025,10.472 8.488,10.472 7.585,11.375
  pour cut-out: 17.94,6.868 20.48,6.868 20.48,6.708 20.372,6.6 20.229,6.744 18.404,6.744
  pour cut-out: 20.65,15.045 21.888,15.045 22.811,14.121
  pour cut-out: 27.354,21.795 27.354,19.965 27.146,20.173 27.054,20.173 27.054,21.187 26.842,21.4 26.825,21.383 26.825,21.345
  pour cut-out: 15.699,9.854 18.369,9.854 18.369,10.491 18.205,10.655 15.7,10.655
  pour cut-out: 16.285,9.477
  pour cut-out: 8.475,12.1
Inner Layer 2:
  pour cut-out: 11.4,16.225 15.417,16.225 15.417,16.042 14.9,15.525 14.875,15.55 10.8,15.55
  pour cut-out: 9.725,18.501 12.101,18.501 12.15,18.55 12.15,17.387 11.947,17.387 9.775,15.215
  pour cut-out: 8.9,28.228 8.1,27.428 7.3,27.428 7.3,26.55 8.9,26.55
  pour cut-out: 6.904,25.336 6.904,22.981 6.983,22.903 7.446,22.903 7.446,24.851 7.393,24.904
  pour cut-out: 18.661,13.389 18.661,9.394 17.311,9.394 17.311,13.389
  pour cut-out: 17.285,10.165 17.4,10.05 17.4,9.477 16.839,9.477 16.825,9.491 16.825,10.21
  pour cut-out: 12.175,13.664 12.175,13.205 12.367,13.397 12.75,13.397 12.75,13.695 12.789,13.735
Bottom Layer:
  pour cut-out: 24.539,18.125 25.382,18.125 25.593,18.125 25.718,18 26.046,17.672 25.873,17.5 25.3,17.5

## Silkscreen, mask and mechanical layers (free items; w line width, h text height)
Top Overlay:
  drawing of 262 lines, arcs and shapes, not listed
  text "BOOT" at 20.972,34.264 h1 r180
  text "v1.1" at 27.8,33.8 h1.3
  text "PIX" at 10.94,33.203 h2.8
  text "I2C" at 0.9,27.9 h1.5
  text "Gusakov N.I." at 0.403,10.833 h1.5 r270
  text "Telem 1" at 34.7,5.679 h1.5 r180
  text "S" at 13.497,5.4 h2
  text "+" at 13.3,2.715 h3
  text "-" at 13.528,0.2 h3
Bottom Overlay:
  text "RC IN" at 5.661,34.7 h1.5 r90
  text "GPS" at 2.534,29.175 h1.5
  text "PWR" at 0.492,5.825 h1.5 r180
  text "Telem 2" at 30.892,5.679 h1.5 r180
  text "Rev 1.1" at 8.2,0.566 h1.5